# KiCad board vault35-katana-original.kicad_pcb (continued)
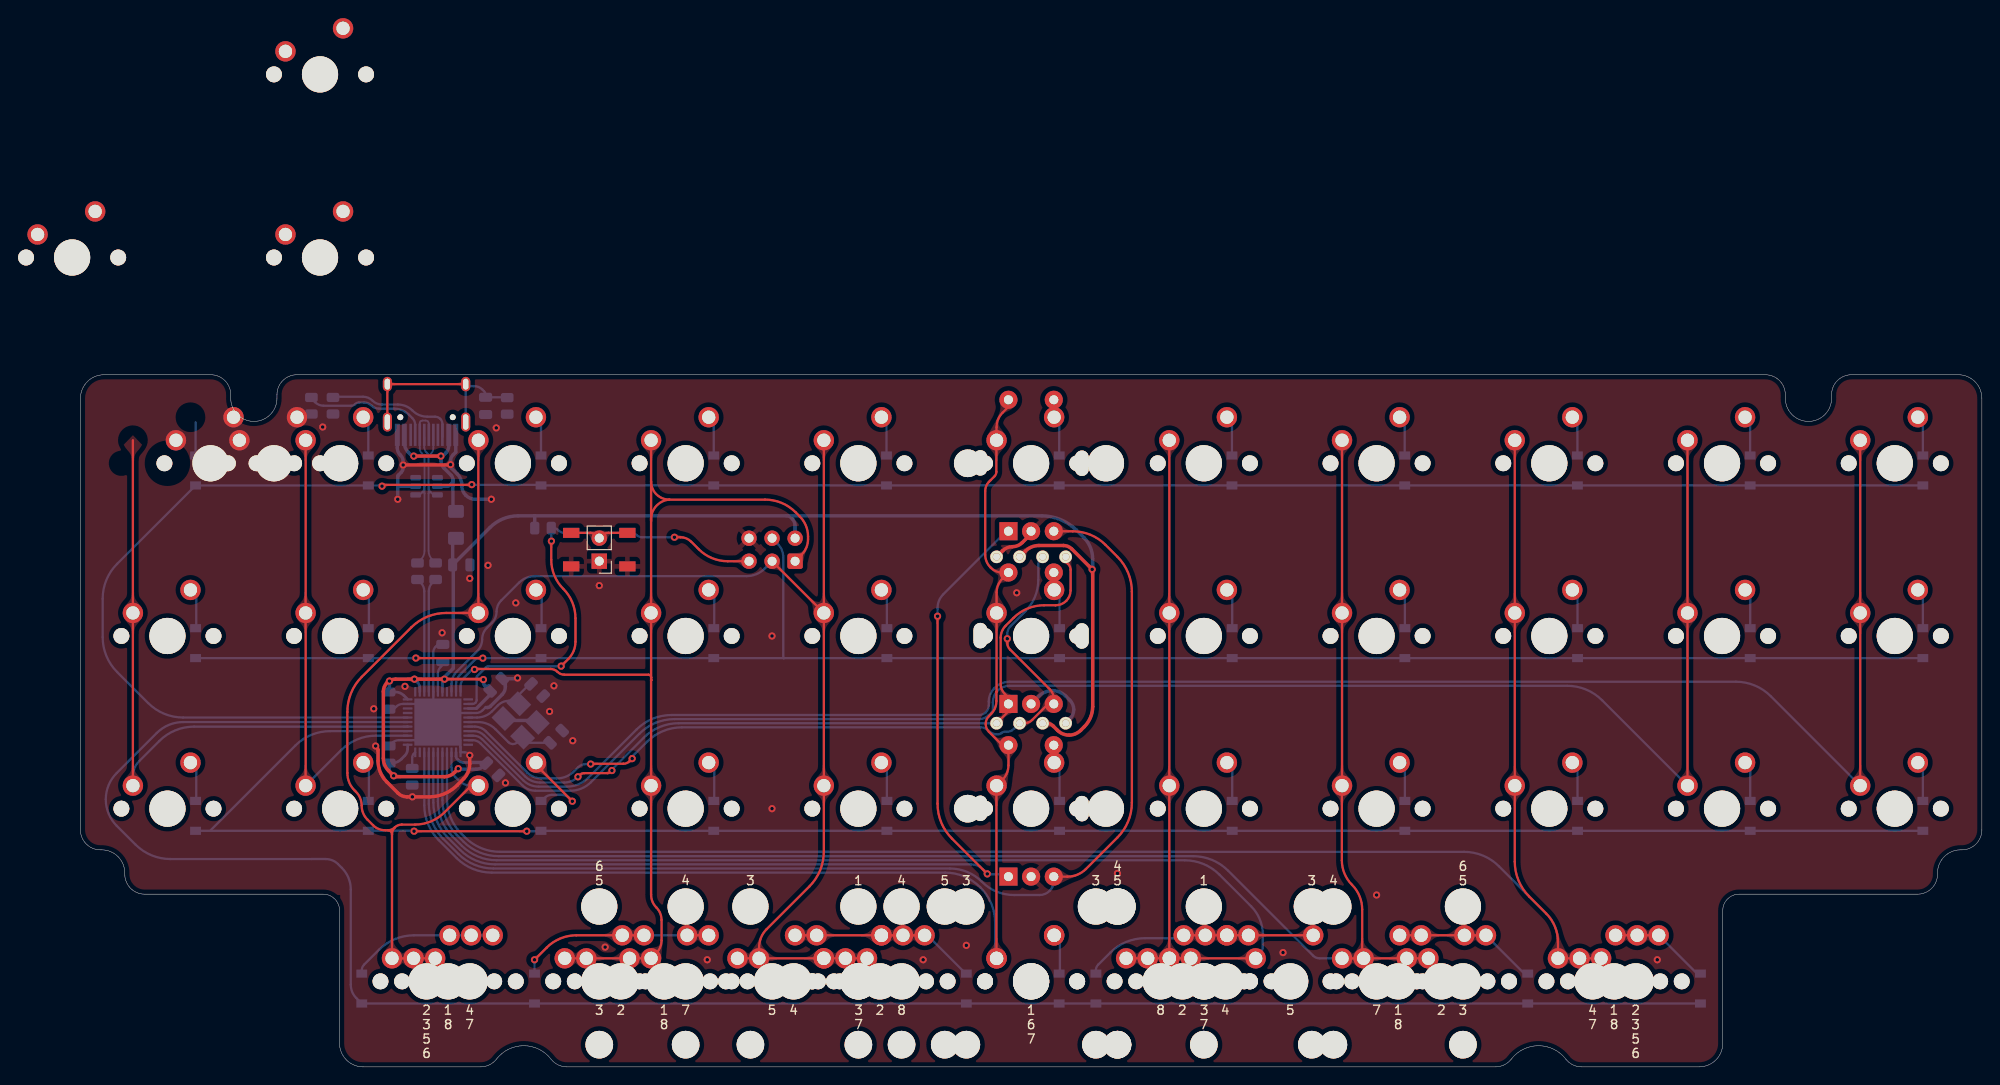
[diagram p0: board, top side]
## Copper pours and planes (outline as drawn; the poured copper is in the pictures) (continued)
Net-(D_SPACE26-A) on Bottom: 108.11,31.48 108.12,31.77 108.15,32.01 108.2,32.22 108.25,32.4 108.31,32.57 108.37,32.73 108.42,32.9 108.47,33.09 108.5,33.3 108.51,33.56 107.09,34.04 106.79,32.61 106.96,32.51 107.12,32.43 107.27,32.35 107.41,32.28 107.54,32.2 107.65,32.11 107.73,32 107.8,31.86 107.84,31.69 107.86,31.48
Net-(D_SPACE27-A) on Bottom: 127.15,31.47 127.16,31.76 127.19,32.01 127.24,32.21 127.3,32.39 127.36,32.56 127.42,32.72 127.47,32.89 127.52,33.08 127.55,33.3 127.56,33.56 126.14,34.04 125.83,32.62 126,32.51 126.16,32.43 126.32,32.35 126.46,32.28 126.58,32.2 126.69,32.1 126.78,31.99 126.84,31.85 126.88,31.68 126.9,31.47
Net-(D_SPACE28-A) on Bottom: 146.19,31.47 146.21,31.76 146.24,32 146.28,32.21 146.34,32.39 146.4,32.56 146.46,32.72 146.52,32.89 146.57,33.08 146.6,33.3 146.61,33.56 145.2,34.05 144.87,32.62 145.04,32.52 145.2,32.43 145.36,32.35 145.5,32.28 145.62,32.2 145.73,32.1 145.82,31.99 145.88,31.85 145.93,31.68 145.94,31.47
Net-(D_SPACE29-A) on Bottom: 165.24,31.46 165.25,31.76 165.28,32 165.33,32.21 165.39,32.39 165.45,32.56 165.51,32.72 165.57,32.89 165.62,33.08 165.65,33.3 165.66,33.56 164.25,34.05 163.91,32.63 164.08,32.52 164.25,32.43 164.4,32.35 164.54,32.28 164.67,32.2 164.77,32.1 164.86,31.99 164.93,31.85 164.97,31.68 164.98,31.46
Net-(D_SPACE30-A) on Bottom: 184.28,31.46 184.29,31.76 184.32,32 184.37,32.21 184.43,32.39 184.49,32.56 184.56,32.72 184.62,32.89 184.67,33.08 184.7,33.3 184.71,33.56 183.3,34.05 182.96,32.63 183.13,32.52 183.29,32.43 183.44,32.35 183.58,32.28 183.71,32.2 183.82,32.1 183.9,31.99 183.97,31.85 184.01,31.68 184.02,31.46
Net-(D_SPACE31-A) on Bottom: 203.32,31.45 203.33,31.75 203.37,31.99 203.42,32.2 203.48,32.38 203.54,32.55 203.61,32.72 203.67,32.89 203.72,33.08 203.75,33.3 203.76,33.56 202.36,34.05 202,32.64 202.17,32.53 202.33,32.44 202.48,32.35 202.62,32.28 202.75,32.19 202.86,32.1 202.94,31.98 203.01,31.84 203.05,31.67 203.07,31.45
Net-(D_SPACE32-A) on Bottom: 45.34,14.64 45.07,14.65 44.85,14.69 44.67,14.76 44.52,14.84 44.39,14.94 44.26,15.05 44.12,15.17 43.97,15.29 43.8,15.41 43.58,15.52 42.53,14.51 43.58,13.5 43.8,13.62 43.97,13.74 44.12,13.86 44.26,13.98 44.39,14.09 44.52,14.18 44.67,14.27 44.85,14.33 45.07,14.37 45.34,14.39
Net-(D_SPACE32-A) on Bottom: 38.47,14.39 38.73,14.37 38.95,14.33 39.13,14.27 39.28,14.18 39.42,14.09 39.55,13.98 39.68,13.86 39.83,13.74 40.01,13.62 40.22,13.5 41.27,14.51 40.22,15.52 40.01,15.41 39.83,15.29 39.68,15.17 39.55,15.05 39.42,14.94 39.28,14.84 39.13,14.76 38.95,14.69 38.73,14.65 38.47,14.64
Net-(D_SPACE32-A) on Bottom: 42.96,14.64 42.69,14.65 42.47,14.69 42.29,14.76 42.14,14.84 42,14.94 41.88,15.05 41.74,15.17 41.59,15.29 41.41,15.41 41.2,15.52 40.15,14.51 41.2,13.5 41.41,13.62 41.59,13.74 41.74,13.86 41.88,13.98 42,14.09 42.14,14.18 42.29,14.27 42.47,14.33 42.69,14.37 42.96,14.39
Net-(D_SPACE32-A) on Bottom: 40.85,14.39 41.11,14.37 41.33,14.33 41.51,14.27 41.66,14.18 41.8,14.09 41.93,13.98 42.06,13.86 42.21,13.74 42.39,13.62 42.6,13.5 43.65,14.51 42.6,15.52 42.39,15.41 42.21,15.29 42.06,15.17 41.93,15.05 41.8,14.94 41.66,14.84 41.51,14.76 41.33,14.69 41.11,14.65 40.85,14.64
Net-(D_SPACE32-A) on Bottom: 43.23,14.39 43.5,14.37 43.71,14.33 43.89,14.27 44.04,14.18 44.18,14.09 44.31,13.98 44.44,13.86 44.59,13.74 44.77,13.62 44.98,13.5 46.04,14.51 44.98,15.52 44.77,15.41 44.59,15.29 44.44,15.17 44.31,15.05 44.18,14.94 44.04,14.84 43.89,14.76 43.71,14.69 43.5,14.65 43.23,14.64
Net-(D_SPACE33-A) on Top: 59.9,14.39 60.16,14.37 60.38,14.33 60.56,14.27 60.71,14.18 60.85,14.09 60.98,13.98 61.11,13.86 61.26,13.74 61.44,13.62 61.65,13.5 62.7,14.51 61.65,15.52 61.44,15.41 61.26,15.29 61.11,15.17 60.98,15.05 60.85,14.94 60.71,14.84 60.56,14.76 60.38,14.69 60.16,14.65 59.9,14.64
Net-(D_SPACE33-A) on Top: 69.15,14.64 68.88,14.65 68.67,14.69 68.49,14.76 68.33,14.84 68.2,14.94 68.07,15.05 67.93,15.17 67.78,15.29 67.61,15.41 67.4,15.52 66.34,14.51 67.4,13.5 67.61,13.62 67.78,13.74 67.93,13.86 68.07,13.98 68.2,14.09 68.33,14.18 68.49,14.27 68.67,14.33 68.88,14.37 69.15,14.39
Net-(D_SPACE33-A) on Top: 57.52,14.39 57.78,14.37 58,14.33 58.18,14.27 58.33,14.18 58.47,14.09 58.6,13.98 58.73,13.86 58.88,13.74 59.06,13.62 59.27,13.5 60.32,14.51 59.27,15.52 59.06,15.41 58.88,15.29 58.73,15.17 58.6,15.05 58.47,14.94 58.33,14.84 58.18,14.76 58,14.69 57.78,14.65 57.52,14.64
Net-(D_SPACE33-A) on Top: 62.01,14.64 61.74,14.65 61.52,14.69 61.34,14.76 61.19,14.84 61.05,14.94 60.93,15.05 60.79,15.17 60.64,15.29 60.46,15.41 60.25,15.52 59.2,14.51 60.25,13.5 60.46,13.62 60.64,13.74 60.79,13.86 60.93,13.98 61.05,14.09 61.19,14.18 61.34,14.27 61.52,14.33 61.74,14.37 62.01,14.39
Net-(D_SPACE33-A) on Top: 67.04,14.39 67.31,14.37 67.53,14.33 67.71,14.27 67.86,14.18 67.99,14.09 68.12,13.98 68.26,13.86 68.41,13.74 68.58,13.62 68.8,13.5 69.85,14.51 68.8,15.52 68.58,15.41 68.41,15.29 68.26,15.17 68.12,15.05 67.99,14.94 67.86,14.84 67.71,14.76 67.53,14.69 67.31,14.65 67.04,14.64
Net-(D_SPACE33-A) on Bottom: 64.66,14.39 64.93,14.37 65.14,14.33 65.32,14.27 65.48,14.18 65.61,14.09 65.74,13.98 65.88,13.86 66.03,13.74 66.2,13.62 66.41,13.5 67.47,14.51 66.41,15.52 66.2,15.41 66.03,15.29 65.88,15.17 65.74,15.05 65.61,14.94 65.48,14.84 65.32,14.76 65.14,14.69 64.93,14.65 64.66,14.64
Net-(D_SPACE33-A) on Bottom: 64.39,14.64 64.12,14.65 63.9,14.69 63.72,14.76 63.57,14.84 63.44,14.94 63.31,15.05 63.17,15.17 63.02,15.29 62.85,15.41 62.63,15.52 61.58,14.51 62.63,13.5 62.85,13.62 63.02,13.74 63.17,13.86 63.31,13.98 63.44,14.09 63.57,14.18 63.72,14.27 63.9,14.33 64.12,14.37 64.39,14.39
Net-(D_SPACE34-A) on Top: 81.06,14.64 80.79,14.65 80.57,14.69 80.39,14.76 80.24,14.84 80.1,14.94 79.98,15.05 79.84,15.17 79.69,15.29 79.51,15.41 79.3,15.52 78.25,14.51 79.3,13.5 79.51,13.62 79.69,13.74 79.84,13.86 79.98,13.98 80.1,14.09 80.24,14.18 80.39,14.27 80.57,14.33 80.79,14.37 81.06,14.39
Net-(D_SPACE34-A) on Top: 86.09,14.39 86.36,14.37 86.58,14.33 86.76,14.27 86.91,14.18 87.04,14.09 87.17,13.98 87.31,13.86 87.46,13.74 87.63,13.62 87.85,13.5 88.9,14.51 87.85,15.52 87.63,15.41 87.46,15.29 87.31,15.17 87.17,15.05 87.04,14.94 86.91,14.84 86.76,14.76 86.58,14.69 86.36,14.65 86.09,14.64
Net-(D_SPACE34-A) on Top: 88.47,14.39 88.74,14.37 88.96,14.33 89.14,14.27 89.29,14.18 89.42,14.09 89.55,13.98 89.69,13.86 89.84,13.74 90.01,13.62 90.23,13.5 91.28,14.51 90.23,15.52 90.01,15.41 89.84,15.29 89.69,15.17 89.55,15.05 89.42,14.94 89.29,14.84 89.14,14.76 88.96,14.69 88.74,14.65 88.47,14.64
Net-(D_SPACE34-A) on Top: 86.09,14.39 86.36,14.37 86.58,14.33 86.76,14.27 86.91,14.18 87.04,14.09 87.17,13.98 87.31,13.86 87.46,13.74 87.63,13.62 87.85,13.5 88.9,14.51 87.85,15.52 87.63,15.41 87.46,15.29 87.31,15.17 87.17,15.05 87.04,14.94 86.91,14.84 86.76,14.76 86.58,14.69 86.36,14.65 86.09,14.64
Net-(D_SPACE34-A) on Top: 92.96,14.64 92.7,14.65 92.48,14.69 92.3,14.76 92.15,14.84 92.01,14.94 91.88,15.05 91.75,15.17 91.6,15.29 91.42,15.41 91.21,15.52 90.15,14.51 91.21,13.5 91.42,13.62 91.6,13.74 91.75,13.86 91.88,13.98 92.01,14.09 92.15,14.18 92.3,14.27 92.48,14.33 92.7,14.37 92.96,14.39
Net-(D_SPACE34-A) on Top: 78.95,14.39 79.21,14.37 79.43,14.33 79.61,14.27 79.76,14.18 79.9,14.09 80.03,13.98 80.16,13.86 80.31,13.74 80.49,13.62 80.7,13.5 81.75,14.51 80.7,15.52 80.49,15.41 80.31,15.29 80.16,15.17 80.03,15.05 79.9,14.94 79.76,14.84 79.61,14.76 79.43,14.69 79.21,14.65 78.95,14.64
Net-(D_SPACE34-A) on Top: 90.58,14.64 90.31,14.65 90.1,14.69 89.92,14.76 89.76,14.84 89.63,14.94 89.5,15.05 89.37,15.17 89.22,15.29 89.04,15.41 88.83,15.52 87.77,14.51 88.83,13.5 89.04,13.62 89.22,13.74 89.37,13.86 89.5,13.98 89.63,14.09 89.76,14.18 89.92,14.27 90.1,14.33 90.31,14.37 90.58,14.39
Net-(D_SPACE34-A) on Top: 90.85,14.39 91.12,14.37 91.34,14.33 91.52,14.27 91.67,14.18 91.81,14.09 91.93,13.98 92.07,13.86 92.22,13.74 92.39,13.62 92.61,13.5 93.66,14.51 92.61,15.52 92.39,15.41 92.22,15.29 92.07,15.17 91.93,15.05 91.81,14.94 91.67,14.84 91.52,14.76 91.34,14.69 91.12,14.65 90.85,14.64
Net-(D_SPACE34-A) on Top: 83.44,14.64 83.17,14.65 82.95,14.69 82.77,14.76 82.62,14.84 82.49,14.94 82.36,15.05 82.22,15.17 82.07,15.29 81.9,15.41 81.68,15.52 80.63,14.51 81.68,13.5 81.9,13.62 82.07,13.74 82.22,13.86 82.36,13.98 82.49,14.09 82.62,14.18 82.77,14.27 82.95,14.33 83.17,14.37 83.44,14.39
Net-(D_SPACE34-A) on Top: 90.58,14.64 90.31,14.65 90.1,14.69 89.92,14.76 89.76,14.84 89.63,14.94 89.5,15.05 89.37,15.17 89.22,15.29 89.04,15.41 88.83,15.52 87.77,14.51 88.83,13.5 89.04,13.62 89.22,13.74 89.37,13.86 89.5,13.98 89.63,14.09 89.76,14.18 89.92,14.27 90.1,14.33 90.31,14.37 90.58,14.39
Net-(D_SPACE34-A) on Bottom: 94.92,13.18 94.73,13.4 94.6,13.59 94.5,13.77 94.44,13.94 94.4,14.11 94.36,14.28 94.32,14.46 94.27,14.65 94.19,14.86 94.07,15.09 92.63,14.82 92.95,13.4 93.18,13.38 93.38,13.38 93.57,13.39 93.74,13.4 93.91,13.4 94.06,13.39 94.22,13.36 94.39,13.28 94.56,13.17 94.74,13
Net-(D_SPACE35-A) on Bottom: 108.15,12.45 108.16,12.74 108.19,12.98 108.23,13.18 108.28,13.36 108.33,13.53 108.38,13.69 108.43,13.86 108.47,14.04 108.5,14.26 108.51,14.51 107.07,14.98 106.82,13.54 107,13.45 107.16,13.37 107.31,13.3 107.45,13.23 107.58,13.15 107.69,13.07 107.77,12.96 107.84,12.83 107.88,12.66 107.89,12.45
Net-(D_SPACE35-A) on Bottom: 108.15,12.45 108.16,12.74 108.19,12.98 108.23,13.18 108.28,13.36 108.33,13.53 108.38,13.69 108.43,13.86 108.47,14.04 108.5,14.26 108.51,14.51 107.07,14.98 106.82,13.54 107,13.45 107.16,13.37 107.31,13.3 107.45,13.23 107.58,13.15 107.69,13.07 107.77,12.96 107.84,12.83 107.88,12.66 107.89,12.45
Net-(D_SPACE36-A) on Top: 123.92,14.64 123.65,14.65 123.43,14.69 123.25,14.76 123.1,14.84 122.97,14.94 122.84,15.05 122.7,15.17 122.55,15.29 122.38,15.41 122.16,15.52 121.11,14.51 122.16,13.5 122.38,13.62 122.55,13.74 122.7,13.86 122.84,13.98 122.97,14.09 123.1,14.18 123.25,14.27 123.43,14.33 123.65,14.37 123.92,14.39
Net-(D_SPACE36-A) on Top: 133.72,14.39 133.98,14.37 134.2,14.33 134.38,14.27 134.53,14.18 134.67,14.09 134.8,13.98 134.93,13.86 135.08,13.74 135.26,13.62 135.47,13.5 136.52,14.51 135.47,15.52 135.26,15.41 135.08,15.29 134.93,15.17 134.8,15.05 134.67,14.94 134.53,14.84 134.38,14.76 134.2,14.69 133.98,14.65 133.72,14.64
Net-(D_SPACE36-A) on Top: 126.57,14.39 126.84,14.37 127.06,14.33 127.24,14.27 127.39,14.18 127.52,14.09 127.65,13.98 127.79,13.86 127.94,13.74 128.11,13.62 128.33,13.5 129.38,14.51 128.33,15.52 128.11,15.41 127.94,15.29 127.79,15.17 127.65,15.05 127.52,14.94 127.39,14.84 127.24,14.76 127.06,14.69 126.84,14.65 126.57,14.64
Net-(D_SPACE36-A) on Top: 124.19,14.39 124.46,14.37 124.68,14.33 124.86,14.27 125.01,14.18 125.14,14.09 125.27,13.98 125.41,13.86 125.56,13.74 125.73,13.62 125.95,13.5 127,14.51 125.95,15.52 125.73,15.41 125.56,15.29 125.41,15.17 125.27,15.05 125.14,14.94 125.01,14.84 124.86,14.76 124.68,14.69 124.46,14.65 124.19,14.64
Net-(D_SPACE36-A) on Top: 131.06,14.64 130.8,14.65 130.58,14.69 130.4,14.76 130.25,14.84 130.11,14.94 129.98,15.05 129.85,15.17 129.7,15.29 129.52,15.41 129.31,15.52 128.25,14.51 129.31,13.5 129.52,13.62 129.7,13.74 129.85,13.86 129.98,13.98 130.11,14.09 130.25,14.18 130.4,14.27 130.58,14.33 130.8,14.37 131.06,14.39
Net-(D_SPACE36-A) on Top: 126.3,14.64 126.03,14.65 125.82,14.69 125.64,14.76 125.48,14.84 125.35,14.94 125.22,15.05 125.08,15.17 124.93,15.29 124.76,15.41 124.55,15.52 123.49,14.51 124.55,13.5 124.76,13.62 124.93,13.74 125.08,13.86 125.22,13.98 125.35,14.09 125.48,14.18 125.64,14.27 125.82,14.33 126.03,14.37 126.3,14.39
Net-(D_SPACE36-A) on Top: 128.68,14.64 128.41,14.65 128.2,14.69 128.02,14.76 127.86,14.84 127.73,14.94 127.6,15.05 127.47,15.17 127.32,15.29 127.14,15.41 126.93,15.52 125.87,14.51 126.93,13.5 127.14,13.62 127.32,13.74 127.47,13.86 127.6,13.98 127.73,14.09 127.86,14.18 128.02,14.27 128.2,14.33 128.41,14.37 128.68,14.39
Net-(D_SPACE36-A) on Top: 124.19,14.39 124.46,14.37 124.68,14.33 124.86,14.27 125.01,14.18 125.14,14.09 125.27,13.98 125.41,13.86 125.56,13.74 125.73,13.62 125.95,13.5 127,14.51 125.95,15.52 125.73,15.41 125.56,15.29 125.41,15.17 125.27,15.05 125.14,14.94 125.01,14.84 124.86,14.76 124.68,14.69 124.46,14.65 124.19,14.64
Net-(D_SPACE36-A) on Top: 121.81,14.39 122.08,14.37 122.29,14.33 122.47,14.27 122.63,14.18 122.76,14.09 122.89,13.98 123.03,13.86 123.18,13.74 123.35,13.62 123.56,13.5 124.62,14.51 123.56,15.52 123.35,15.41 123.18,15.29 123.03,15.17 122.89,15.05 122.76,14.94 122.63,14.84 122.47,14.76 122.29,14.69 122.08,14.65 121.81,14.64
Net-(D_SPACE36-A) on Top: 128.68,14.64 128.41,14.65 128.2,14.69 128.02,14.76 127.86,14.84 127.73,14.94 127.6,15.05 127.47,15.17 127.32,15.29 127.14,15.41 126.93,15.52 125.87,14.51 126.93,13.5 127.14,13.62 127.32,13.74 127.47,13.86 127.6,13.98 127.73,14.09 127.86,14.18 128.02,14.27 128.2,14.33 128.41,14.37 128.68,14.39
Net-(D_SPACE36-A) on Bottom: 119.46,14.07 119.75,14.05 119.99,14.01 120.19,13.95 120.37,13.88 120.52,13.79 120.68,13.7 120.84,13.62 121.02,13.53 121.23,13.46 121.49,13.4 122.21,14.67 120.92,15.35 120.76,15.19 120.63,15.04 120.51,14.89 120.41,14.76 120.3,14.64 120.19,14.53 120.06,14.44 119.9,14.38 119.7,14.34 119.46,14.32
Net-(D_SPACE37-A) on Top: 145.62,14.39 145.89,14.37 146.11,14.33 146.29,14.27 146.44,14.18 146.57,14.09 146.7,13.98 146.84,13.86 146.99,13.74 147.16,13.62 147.38,13.5 148.43,14.51 147.38,15.52 147.16,15.41 146.99,15.29 146.84,15.17 146.7,15.05 146.57,14.94 146.44,14.84 146.29,14.76 146.11,14.69 145.89,14.65 145.62,14.64
Net-(D_SPACE37-A) on Top: 152.77,14.39 153.03,14.37 153.25,14.33 153.43,14.27 153.58,14.18 153.72,14.09 153.85,13.98 153.98,13.86 154.13,13.74 154.31,13.62 154.52,13.5 155.57,14.51 154.52,15.52 154.31,15.41 154.13,15.29 153.98,15.17 153.85,15.05 153.72,14.94 153.58,14.84 153.43,14.76 153.25,14.69 153.03,14.65 152.77,14.64
Net-(D_SPACE37-A) on Top: 154.87,14.64 154.61,14.65 154.39,14.69 154.21,14.76 154.06,14.84 153.92,14.94 153.79,15.05 153.66,15.17 153.51,15.29 153.33,15.41 153.12,15.52 152.07,14.51 153.12,13.5 153.33,13.62 153.51,13.74 153.66,13.86 153.79,13.98 153.92,14.09 154.06,14.18 154.21,14.27 154.39,14.33 154.61,14.37 154.87,14.39
Net-(D_SPACE37-A) on Top: 147.73,14.64 147.46,14.65 147.25,14.69 147.07,14.76 146.91,14.84 146.78,14.94 146.65,15.05 146.52,15.17 146.37,15.29 146.19,15.41 145.98,15.52 144.92,14.51 145.98,13.5 146.19,13.62 146.37,13.74 146.52,13.86 146.65,13.98 146.78,14.09 146.91,14.18 147.07,14.27 147.25,14.33 147.46,14.37 147.73,14.39
Net-(D_SPACE37-A) on Top: 150.38,14.39 150.65,14.37 150.87,14.33 151.05,14.27 151.2,14.18 151.34,14.09 151.47,13.98 151.6,13.86 151.75,13.74 151.93,13.62 152.14,13.5 153.19,14.51 152.14,15.52 151.93,15.41 151.75,15.29 151.6,15.17 151.47,15.05 151.34,14.94 151.2,14.84 151.05,14.76 150.87,14.69 150.65,14.65 150.38,14.64
Net-(D_SPACE37-A) on Top: 150.11,14.64 149.85,14.65 149.63,14.69 149.45,14.76 149.3,14.84 149.16,14.94 149.03,15.05 148.9,15.17 148.75,15.29 148.57,15.41 148.36,15.52 147.3,14.51 148.36,13.5 148.57,13.62 148.75,13.74 148.9,13.86 149.03,13.98 149.16,14.09 149.3,14.18 149.45,14.27 149.63,14.33 149.85,14.37 150.11,14.39
Net-(D_SPACE37-A) on Bottom: 156.69,13.01 156.51,13.21 156.39,13.4 156.3,13.57 156.25,13.73 156.23,13.9 156.21,14.07 156.2,14.25 156.18,14.44 156.14,14.65 156.07,14.88 154.61,14.91 154.64,13.45 154.88,13.38 155.09,13.34 155.28,13.32 155.45,13.31 155.62,13.3 155.79,13.27 155.95,13.22 156.13,13.14 156.31,13.01 156.51,12.84
Net-(D_SPACE38-A) on Top: 171.54,14.64 171.28,14.65 171.06,14.69 170.88,14.76 170.73,14.84 170.59,14.94 170.46,15.05 170.33,15.17 170.18,15.29 170,15.41 169.79,15.52 168.74,14.51 169.79,13.5 170,13.62 170.18,13.74 170.33,13.86 170.46,13.98 170.59,14.09 170.73,14.18 170.88,14.27 171.06,14.33 171.28,14.37 171.54,14.39
Net-(D_SPACE38-A) on Top: 171.82,14.39 172.08,14.37 172.3,14.33 172.48,14.27 172.63,14.18 172.77,14.09 172.9,13.98 173.03,13.86 173.18,13.74 173.36,13.62 173.57,13.5 174.62,14.51 173.57,15.52 173.36,15.41 173.18,15.29 173.03,15.17 172.9,15.05 172.77,14.94 172.63,14.84 172.48,14.76 172.3,14.69 172.08,14.65 171.82,14.64
Net-(D_SPACE38-A) on Top: 169.43,14.39 169.7,14.37 169.92,14.33 170.1,14.27 170.25,14.18 170.39,14.09 170.52,13.98 170.65,13.86 170.8,13.74 170.98,13.62 171.19,13.5 172.24,14.51 171.19,15.52 170.98,15.41 170.8,15.29 170.65,15.17 170.52,15.05 170.39,14.94 170.25,14.84 170.1,14.76 169.92,14.69 169.7,14.65 169.43,14.64
Net-(D_SPACE38-A) on Top: 173.92,14.64 173.66,14.65 173.44,14.69 173.26,14.76 173.11,14.84 172.97,14.94 172.84,15.05 172.71,15.17 172.56,15.29 172.38,15.41 172.17,15.52 171.12,14.51 172.17,13.5 172.38,13.62 172.56,13.74 172.71,13.86 172.84,13.98 172.97,14.09 173.11,14.18 173.26,14.27 173.44,14.33 173.66,14.37 173.92,14.39
Net-(D_SPACE38-A) on Bottom: 175.74,13.01 175.56,13.21 175.44,13.4 175.35,13.57 175.3,13.73 175.28,13.9 175.26,14.07 175.25,14.25 175.23,14.44 175.19,14.65 175.12,14.88 173.66,14.91 173.69,13.45 173.93,13.38 174.14,13.34 174.33,13.32 174.5,13.31 174.67,13.3 174.84,13.27 175,13.22 175.18,13.14 175.36,13.01 175.56,12.84
Net-(U2-UCAP) on Bottom: 39.58,43.64 39.63,43.78 39.69,43.88 39.75,43.96 39.83,44.02 39.9,44.07 40.07,44.16 40.16,44.22 40.25,44.29 40.34,44.38 40.03,44.95 39.47,44.62 39.49,44.51 39.5,44.42 39.5,44.33 39.49,44.26 39.48,44.18 39.46,44.11 39.44,44.03 39.38,43.83 39.34,43.71
Net-(U2-XTAL1) on Bottom: 50.8,35.62 50.91,35.62 51.01,35.6 51.09,35.58 51.16,35.55 51.22,35.52 51.28,35.48 51.4,35.39 51.48,35.35 51.57,35.3 52.04,35.75 51.57,36.2 51.48,36.15 51.4,36.1 51.28,36.02 51.22,35.98 51.16,35.94 51.09,35.91 51.01,35.89 50.91,35.88 50.8,35.88
Net-(U2-XTAL1) on Bottom: 50.31,35.88 50.16,35.89 50.05,35.92 49.95,35.97 49.88,36.03 49.82,36.11 49.77,36.21 49.73,36.31 49.69,36.43 49.65,36.56 49.61,36.69 48.44,36.69 48.76,35.48 48.95,35.48 49.11,35.49 49.25,35.51 49.38,35.53 49.63,35.57 49.76,35.59 49.92,35.61 50.1,35.62 50.31,35.62
Net-(U2-XTAL1) on Bottom: 46.9,36.07 46.96,35.97 47.05,35.93 47.16,35.95 47.28,36 47.41,36.07 47.54,36.14 47.66,36.2 47.76,36.22 47.85,36.2 47.9,36.11 49.11,36.67 47.94,36.75 47.88,36.62 47.8,36.49 47.72,36.35 47.62,36.23 47.53,36.12 47.44,36.04 47.35,35.99 47.27,35.99 47.2,36.04 47.14,36.15
Net-(U2-XTAL2) on Bottom: 46.48,40.05 46.65,40.13 46.79,40.16 46.92,40.15 47.04,40.11 47.15,40.04 47.25,39.94 47.35,39.83 47.45,39.71 47.56,39.58 47.67,39.45 48.76,39.89 47.89,40.84 47.72,40.75 47.56,40.68 47.42,40.63 47.29,40.6 47.16,40.57 47.02,40.54 46.88,40.5 46.73,40.45 46.56,40.38 46.36,40.27
Net-(U2-XTAL2) on Bottom: 49.01,41.52 49.09,41.59 49.16,41.65 49.23,41.68 49.3,41.71 49.36,41.72 49.43,41.73 49.58,41.74 49.67,41.74 49.76,41.75 49.9,42.39 49.26,42.5 49.21,42.4 49.17,42.32 49.14,42.24 49.09,42.09 49.06,42.02 49.03,41.95 48.98,41.87 48.91,41.79 48.83,41.7
Net-(U2-~{HWB}/PE2) on Bottom: 36.46,33.94 36.46,33.82 36.44,33.72 36.42,33.64 36.39,33.57 36.36,33.51 36.32,33.44 36.23,33.31 36.18,33.23 36.13,33.14 36.59,32.66 37.05,33.14 37,33.23 36.95,33.31 36.86,33.44 36.82,33.51 36.79,33.57 36.76,33.64 36.74,33.72 36.72,33.82 36.72,33.94
Net-(USB1-CC1) on Bottom: 26.34,73.16 26.24,73.21 26.16,73.27 26.1,73.33 26.06,73.4 26.03,73.47 26.02,73.55 26.01,73.64 25.99,73.83 25.98,73.93 25.32,74.05 25.27,73.37 25.39,73.32 25.49,73.28 25.89,73.08 25.99,73.04 26.1,72.99 26.24,72.93
Net-(USB1-CC2) on Bottom: 28.87,74.05 28.75,74.06 28.64,74.07 28.56,74.09 28.48,74.12 28.41,74.15 28.27,74.22 28.19,74.26 28.11,74.3 28,74.33 27.6,73.81 28.14,73.42 28.22,73.48 28.29,73.54 28.41,73.64 28.46,73.69 28.52,73.72 28.59,73.75 28.67,73.78 28.76,73.79 28.87,73.8
Net-(USB1-SHIELD) on Top: 41.5,75.19 41.62,75.18 41.71,75.17 41.79,75.15 41.86,75.12 41.92,75.09 41.98,75.05 42.11,74.96 42.18,74.91 42.27,74.86 42.74,75.31 42.27,75.76 42.18,75.72 42.11,75.67 41.98,75.58 41.92,75.54 41.86,75.51 41.79,75.48 41.71,75.46 41.62,75.45 41.5,75.44
Net-(USB1-SHIELD) on Top: 34.84,75.44 34.73,75.45 34.63,75.46 34.55,75.48 34.48,75.51 34.42,75.54 34.36,75.58 34.23,75.67 34.16,75.72 34.07,75.76 33.6,75.31 34.07,74.86 34.16,74.91 34.23,74.96 34.36,75.05 34.42,75.09 34.48,75.12 34.55,75.15 34.63,75.17 34.73,75.18 34.84,75.19
Net-(USB1-SHIELD) on Top: 33.98,74.3 33.98,74.42 34,74.52 34.02,74.6 34.05,74.67 34.08,74.74 34.12,74.8 34.21,74.93 34.25,75.01 34.3,75.1 33.85,75.56 33.4,75.1 33.45,75.01 33.5,74.93 33.58,74.8 33.62,74.74 33.66,74.67 33.68,74.6 33.71,74.52 33.72,74.42 33.72,74.3
Net-(USB1-SHIELD) on Bottom: 42.36,72.12 42.36,72.01 42.35,71.91 42.32,71.83 42.3,71.77 42.26,71.7 42.22,71.64 42.14,71.52 42.09,71.44 42.04,71.35 42.49,70.88 42.94,71.35 42.89,71.44 42.85,71.52 42.76,71.64 42.72,71.7 42.69,71.77 42.66,71.83 42.64,71.91 42.62,72.01 42.62,72.12
Net-(USB1-SHIELD) on Bottom: 45.69,73.99 45.58,73.99 45.48,74.01 45.4,74.03 45.33,74.06 45.26,74.09 45.2,74.13 45.07,74.22 44.99,74.26 44.9,74.31 44.43,73.86 44.9,73.41 44.99,73.46 45.07,73.51 45.2,73.6 45.26,73.63 45.33,73.67 45.4,73.7 45.48,73.72 45.58,73.73 45.69,73.74
Net-(USB1-SHIELD) on Bottom: 42.62,74.32 42.62,74.44 42.64,74.53 42.66,74.61 42.69,74.68 42.72,74.75 42.76,74.8 42.85,74.93 42.89,75.01 42.94,75.1 42.49,75.56 42.04,75.1 42.09,75.01 42.14,74.93 42.22,74.8 42.26,74.75 42.3,74.68 42.32,74.61 42.35,74.53 42.36,74.44 42.36,74.32
Net-(USB1-SHIELD) on Bottom: 43.85,74.88 43.98,74.82 44.07,74.76 44.14,74.68 44.2,74.6 44.23,74.51 44.25,74.42 44.25,74.32 44.24,74.21 44.22,74.1 44.2,73.98 44.74,73.62 44.87,74.32 44.75,74.39 44.65,74.46 44.57,74.54 44.5,74.62 44.44,74.71 44.38,74.8 44.31,74.88 44.22,74.97 44.1,75.05 43.95,75.12
Net-(USB1-SHIELD) on Bottom: 46.04,73.74 46.15,73.73 46.25,73.72 46.33,73.69 46.4,73.66 46.46,73.63 46.52,73.59 46.65,73.49 46.72,73.44 46.81,73.38 47.32,73.81 46.88,74.3 46.78,74.26 46.69,74.21 46.62,74.17 46.55,74.13 46.49,74.09 46.42,74.06 46.35,74.03 46.26,74.01 46.16,73.99 46.04,73.99
Net-(USB1-SHIELD) on Bottom: 43.96,75.11 43.8,75.17 43.67,75.22 43.55,75.25 43.44,75.28 43.34,75.3 43.24,75.34 43.15,75.38 43.07,75.44 42.98,75.52 42.88,75.62 42.27,75.42 42.49,74.81 42.66,74.82 42.8,74.85 42.93,74.88 43.05,74.91 43.16,74.95 43.28,74.97 43.4,74.98 43.53,74.97 43.69,74.94 43.86,74.88

Small or netless copper shapes (teardrops, artwork), in the pictures only: 34 on Top, 143 on Bottom

## Text on the board
B.Silkscreen: 2 | 3 | 5 | 6 | 1 | 8 | 4 | 7
F.Silkscreen: 2 | 3 | 5 | 6 | 1 | 8 | 7 | 4
